# Altium PCB trussy.PcbDoc (part 3 of 3) (continued)
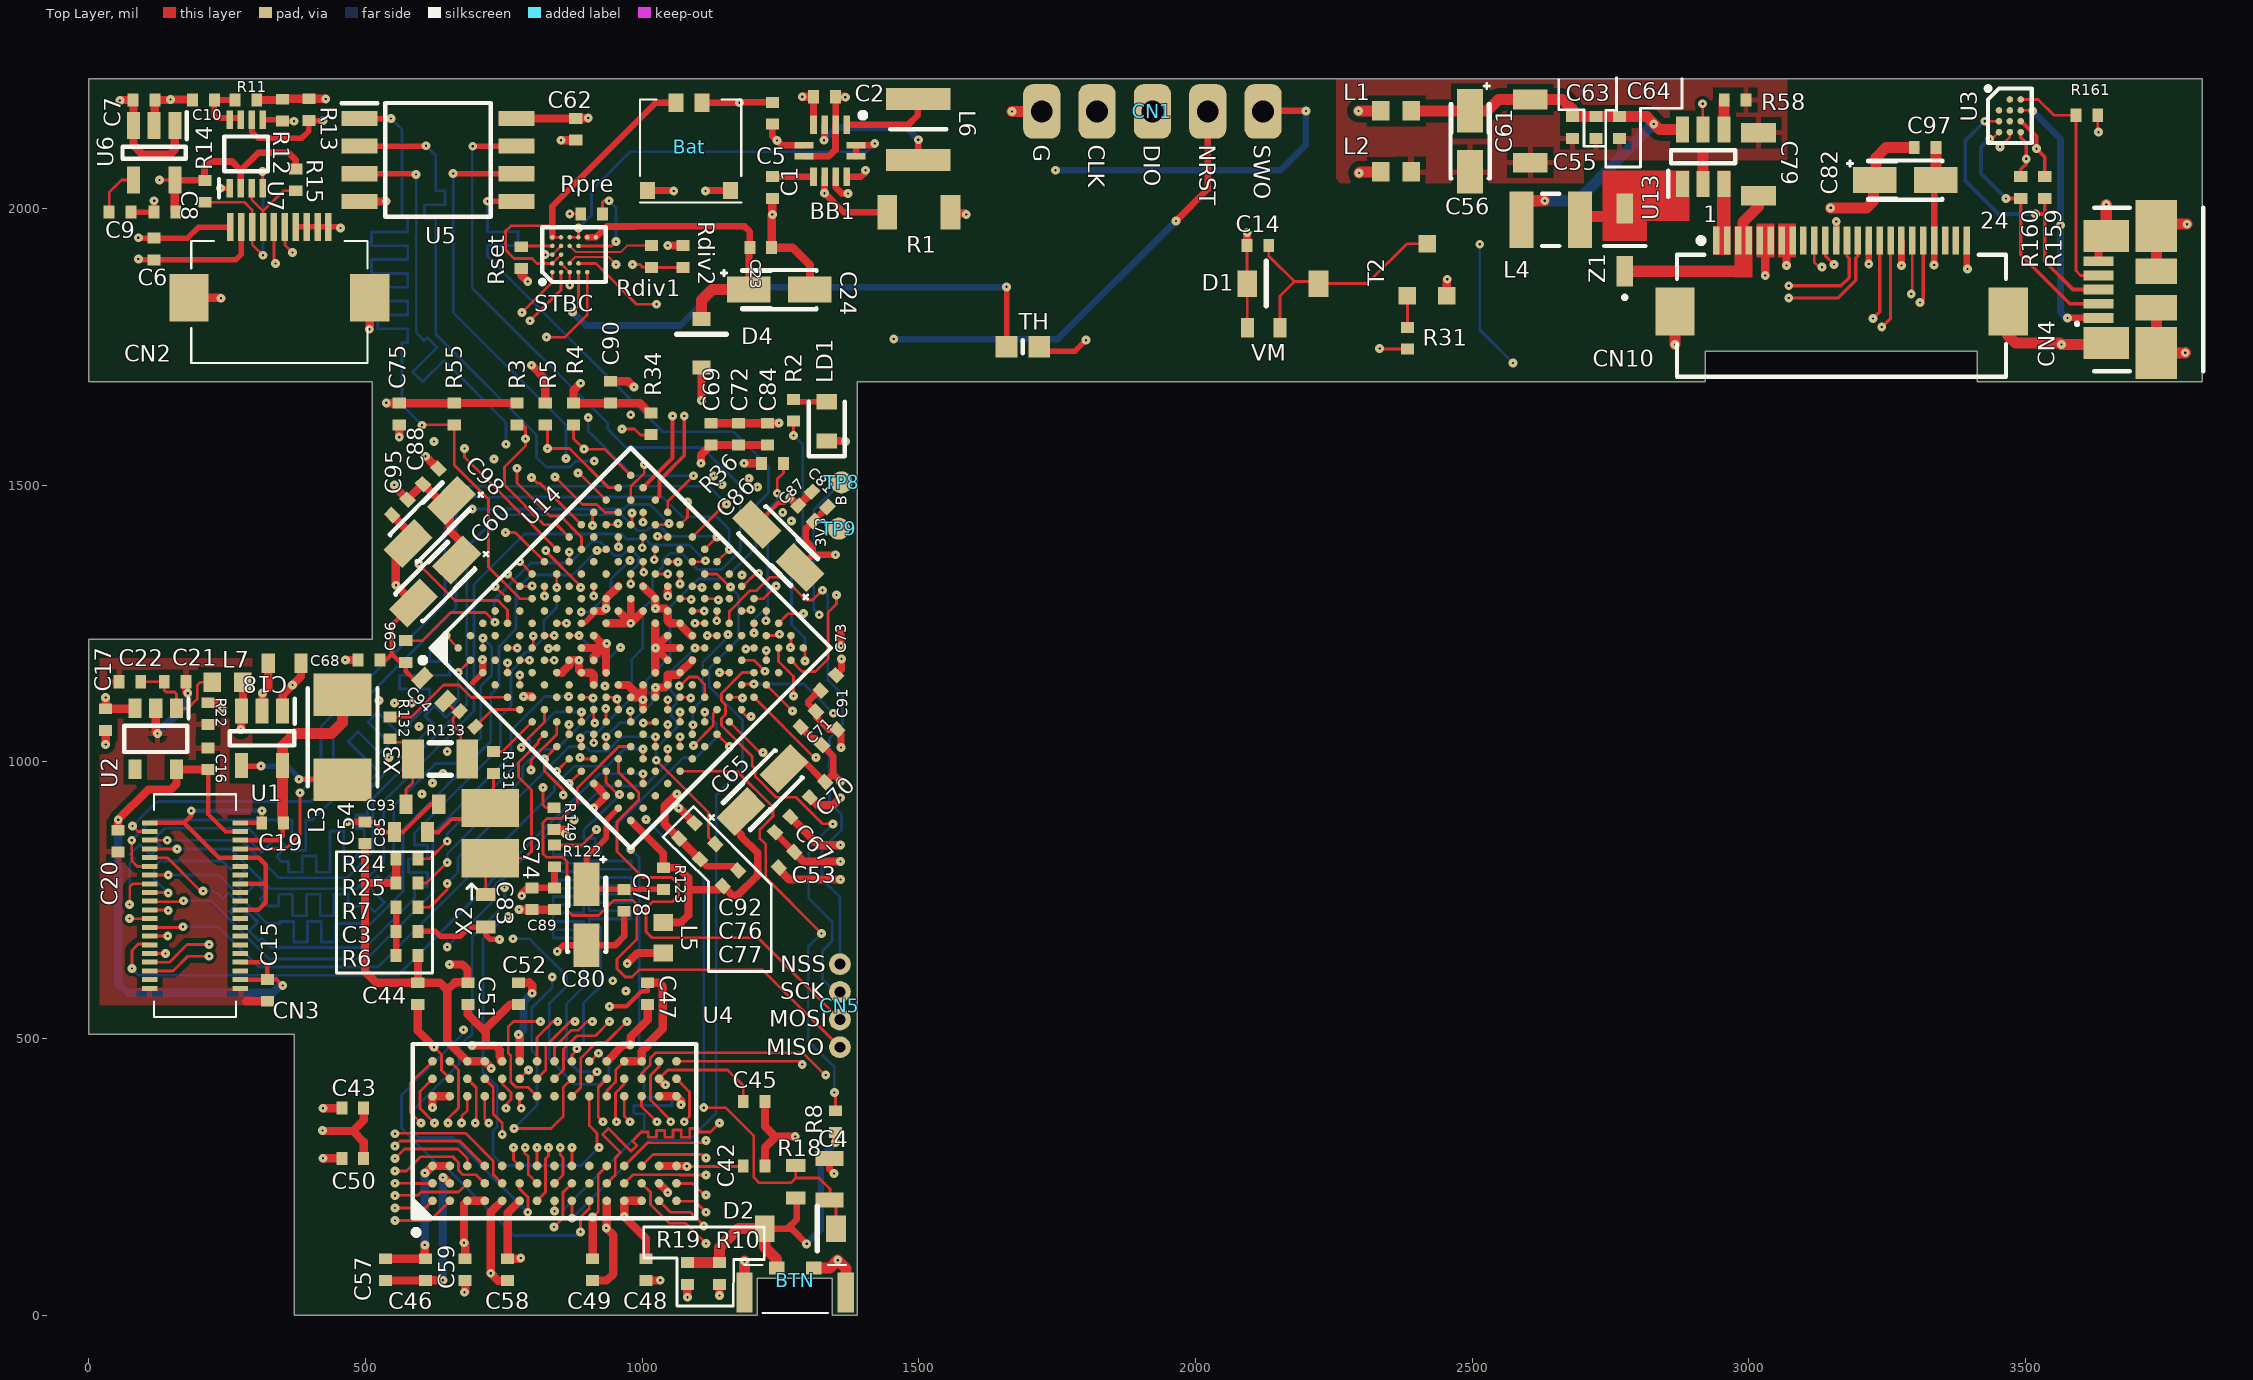
[diagram p0: Top Layer view]
## Nets (pads, with @x,y where several pads share a name; then routed paths per layer and width w, separated by ;. In a path a pad name is that pad's centre, name@x,y a point inside that pad or via, vN(x,y) a via of type N, cw(c..) or ccw(c..) an arc to the next point about the centre after c; other vN are vias at no path point) (continued)
PF9: U5.2 U14.L2 | length 1605.3
  Top Layer w5: v1(887.87,1007.65) 890.25,1005.27 U14.L2@912.52,1005.27
  Top Layer w10: U5.2@489.17,2112.6 608.66,2112.6 v1(609.25,2113.19)
  Internal Signal 1 w5: v1(887.87,1007.65) 930.87,1007.65 959.65,1036.42 959.65,1094.76 976.38,1111.49 976.38,1230.58 953.74,1253.22 953.74,1324.8 941.11,1337.43 941.11,1489.26 913.39,1516.99 v1(913.39,1543.31)
  Bottom Layer w5: v1(609.25,2113.19) 626.97,2095.47 626.97,2044.29 626.97,2031.79 643.47,2031.79 643.47,2006.79 626.97,2006.79 606.53,2006.79 606.53,1981.79 626.97,1981.79 626.97,1970.47 626.97,1772.64 809.06,1590.55 809.06,1550.2 826.77,1532.48 869.09,1532.48 879.92,1543.31 v1(913.39,1543.31)
PF10: U5.6 U14.L1 | length 1486.4
  Top Layer w5: v1(867.98,960.73) U14.L1@890.25,983
  Top Layer w10: v1(658.46,2062.99) 772.24,2062.99 U5.6@772.64,2062.6
  Internal Signal 1 w5: v1(862.2,1548.23) 862.2,1507.27 925.64,1443.84 925.64,1412.84 902.85,1390.06 902.85,1348.13 928.02,1322.97 928.02,1292.9 914.76,1279.65 914.76,1155.12 v1(933.07,1136.81)
  Internal Signal 2 w5: v1(867.98,960.73) 937.03,1029.78 945.14,1029.78 950.29,1034.94 950.29,1055.88 906.51,1099.66 905,1099.66 893.7,1110.95 893.7,1123.48 907.03,1136.81 v1(933.07,1136.81)
  Bottom Layer w5: v1(658.46,2062.99) 658.46,1812.01 862.2,1608.27 v1(862.2,1548.23)
PF11: U4.J9 U14.P8 | length 1429.9
  Top Layer w5: U4.J9@873.03,458.66 873.03,470.47 882.7,480.14 881.93,480.9 v1(881.93,481.32) ; U14.P8@1112.96,1072.08 1112.96,1081.83 v1(1112.96,1089.83)
  Bottom Layer w5: v1(881.93,481.32) 894.17,493.56 894.17,563.98 925.2,595.01 925.2,698.82 925.2,700.77 904.22,700.77 904.22,715.77 925.2,715.77 980.1,715.77 980.1,730.77 925.2,730.77 904.22,730.77 904.22,745.77 925.2,745.77 980.1,745.77 980.1,760.77 925.2,760.77 904.22,760.77 904.22,775.77 925.2,775.77 980.1,775.77 980.1,790.77 925.2,790.77 904.22,790.77 904.22,805.77 925.2,805.77 980.1,805.77 980.1,820.77 925.2,820.77 904.22,820.77 904.22,835.77 925.2,835.77 925.2,850.77 925.2,858.27 1074.8,1007.87 1098.43,1007.87 1134.84,1044.29 1134.84,1067.94 v1(1112.96,1089.83)
PG15: U4.K7 U14.B7 | length 1431.5
  Top Layer w5: v1(823.43,1299.32) 823.43,1307.32 U14.B7@823.43,1317.06 ; U4.K7@904.53,395.67 904.53,342.52 918.25,328.8 918.25,307.14 v1(922.24,303.15)
  Internal Signal 2 w5: v1(757.87,720.47) 757.87,757.61 766.52,766.26 766.52,983.06 805.12,1021.65 805.12,1123.47 856.68,1175.03 856.68,1234.4 844.49,1246.59 844.49,1278.26 v1(823.43,1299.32)
  Bottom Layer w5: v1(757.87,720.47) 752.95,720.47 712.6,680.12 712.6,462.09 711.9,461.39 711.9,439.47 738.28,413.09 738.28,341.02 730.31,333.06 730.31,289.37 749.02,270.67 889.76,270.67 v1(922.24,303.15)
PH0: R131.1 U14.G1 | length 92.1
  Top Layer w5: R131.1@731.29,1018.39 747.47,1018.39 U14.G1@801.16,1072.08
PH1: C83.1 U14.H1 X2.1 | length 393
  Top Layer w5: C83.1@717.51,757.18 C83.1@717.51,760.34 717.51,817.91 X2.1@725.39,825.79 788.39,825.79 800.2,837.6 800.2,948.82 776.57,972.44 776.57,998.76 812.14,1034.33 812.14,1038.52 U14.H1@823.43,1049.81
PH2: U4.J2 U14.K4 | length 1461.3
  Top Layer w5: v1(840.55,159.45) 857.04,175.93 857.04,222.19 U4.J2@873.03,238.19 ; v1(934.1,1096.51) 934.79,1095.82 U14.K4@934.79,1072.08
  Internal Signal 2 w5: v1(934.1,1096.51) 934.55,1096.51 965.29,1065.77 965.29,1021.39 844.49,900.59 844.49,853.35 856.3,841.54 v1(979.33,841.54)
  Bottom Layer w5: v1(840.55,159.45) 857.53,176.43 857.53,190.7 1003.94,337.1 1003.94,356.3 1003.94,363.8 984.66,363.8 984.66,378.8 1003.94,378.8 1053.81,378.8 1053.81,393.8 1003.94,393.8 1003.94,399.61 1003.94,475.24 994.83,484.35 994.83,826.04 v1(979.33,841.54)
PH3: U4.J8 U14.J4 | length 1425.1
  Top Layer w5: v1(768.65,337.44) 835.47,337.44 857.28,359.25 857.28,411.42 U4.J8@873.03,427.17 ; U14.J4@912.52,1094.35 912.52,1071.74 v1(914.37,1069.88)
  Internal Signal 2 w5: v1(837.6,611.22) 802.17,646.65 802.17,659.15 782.23,659.15 782.23,684.15 802.17,684.15 857.07,684.15 857.07,709.15 802.17,709.15 793.1,709.15 793.1,734.15 802.17,734.15 857.07,734.15 857.07,759.15 802.17,759.15 797.97,759.15 797.97,784.15 802.17,784.15 847.97,784.15 847.97,809.15 802.17,809.15 802.17,825.79 793.31,834.65 793.31,904.27 827.28,938.24 841.33,952.28 841.33,956.49 864.17,979.33 864.17,1041.84 892.22,1069.88 v1(914.37,1069.88)
  Bottom Layer w5: v1(768.65,337.44) 809.92,378.72 809.92,468.62 800.65,477.89 800.65,555.57 837.6,592.52 v1(837.6,611.22)
PI4: U4.F8 U14.C3 | length 916.3
  Top Layer w5: U14.C3@756.62,1205.71 766.36,1205.71 v1(774.36,1205.71) ; U4.F8@778.54,427.17 v1(794.42,443.05)
  Internal Signal 2 w5: v1(774.36,1205.71) 756.89,1205.71 683.07,1131.89 683.07,955.71 673.23,945.87 673.23,545.28 775.46,443.05 v1(794.42,443.05)
PI5: U4.F2 U14.D3 | length 1311.8
  Top Layer w5: U4.F2@778.54,238.19 778.54,228.43 793.92,213.06 793.92,186.63 v1(793.31,186.02) ; U14.D3@778.89,1183.44 788.64,1183.44 v1(796.64,1183.44)
  Internal Signal 1 w5: v1(751.02,772.68) 751.02,968.54 797.03,1014.55 797.03,1095.66 828.35,1126.97 828.35,1151.73 v1(796.64,1183.44)
  Bottom Layer w5: v1(751.02,772.68) 751.02,742.16 692.91,684.06 692.91,507.87 687.75,502.71 686.05,502.71 676.97,493.63 676.97,491.93 669.29,484.25 669.29,454.23 584.89,369.83 584.89,332.07 596.1,320.87 658.46,320.87 v1(793.31,186.02)
POWER_GOOD: BB1.8 R1.2 U14.B13 | length 1174
  Top Layer w5: v1(842.52,1514.76) 892.2,1465.08 918.48,1465.08 932.87,1450.69 U14.B13@957.06,1450.69
  Top Layer w12: BB1.8@1329.57,2057.33 1329.57,2027.72 v1(1329.72,2027.56) 1364.17,1993.11 R1.2@1442.91,1993.11
  Internal Signal 2 w5: v1(842.52,1514.76) 834.65,1514.76 770.67,1578.74 770.67,1633.86 1164.37,2027.56 v1(1329.72,2027.56)
SCL1.8: CN2.4 R15.1 U7.3 | length 152.7
  Top Layer w5: U7.3@294.29,2036.42 294.29,2015.75 314.96,1995.08 ; CN2.4@314.96,1966.54 314.96,1995.08 ; R15.1@374.02,2031.81 351.69,2031.81 314.96,1995.08
SDA1.8: CN2.3 R14.1 U7.4 | length 363.8
  Top Layer w5: R14.1@209.65,2011.14 281.19,2011.14 295.28,1997.05 CN2.3@295.28,1966.54 295.28,1935.04 v1(314.96,1915.35) ; U7.4@313.98,2036.42 v1(313.98,2066.93)
  Bottom Layer w5: v1(313.98,2066.93) 314.96,2065.95 v1(314.96,1915.35)
SIO_CLK: CN3.7 R25.2 U14.H4 | length 1126.6
  Top Layer w5: CN3.7@110.04,637.8 145.67,637.8 177.5,669.62 v1(217.52,669.62) ; R25.2@594.8,781 610.53,781 v1(647.64,818.11) v1@647.83,817.92 ; U14.H4@890.25,1116.63 909.95,1116.63 v1(911.42,1115.16)
  Internal Signal 2 w5: v1(217.52,669.62) 316.6,768.7 598.23,768.7 v1(647.64,818.11)
  Bottom Layer w5: v1(647.64,818.11) 647.64,833.66 783.71,969.74 783.71,991.66 814.69,1022.64 844.98,1022.64 911.42,1089.08 v1(911.42,1115.16)
SIO_DAT: CN3.5 R24.2 U14.J3 | length 1162
  Top Layer w5: CN3.5@110.04,622.05 152.19,622.05 178.77,648.62 v1(217.52,648.62) ; R24.2@594.8,824.8 616.14,824.8 v1(647.64,856.3) ; U14.J3@890.25,1072.08 890.25,1081.83 v1(890.25,1089.83)
  Internal Signal 2 w5: v1(217.52,648.62) 199.8,648.62 181.1,667.32 181.1,678.15 362.2,859.25 644.68,859.25 v1(647.64,856.3)
  Bottom Layer w5: v1(647.64,856.3) 647.64,869.82 797.03,1019.22 797.03,1044.63 842.23,1089.83 v1(890.25,1089.83)
SPI2_MISO: CN5.1 U14.M4 | length 1171
  Top Layer w5: U14.M4@979.33,1027.54 957.66,1027.54 882.87,952.76 882.87,927.08 853.43,897.64 828.28,897.64 820.87,890.22 820.87,833.66 826.84,827.69 856.46,827.69 864.17,819.98 864.17,732.28 874.02,722.44 921.26,722.44 948.82,750 982.28,750 990.16,742.13 990.16,732.65 990,732.49 990,678.98 954.72,643.7 954.72,625.98 969.49,611.22 981.3,611.22 994.09,624.02 1217.52,624.02 CN5.1@1357.28,484.25
SPI2_MOSI: CN5.2 U14.M3 | length 882.2
  Top Layer w5: U14.M3@957.06,1005.27 957.06,981.08 993.72,944.42 993.72,930.73 954.72,891.73 954.72,837.6 1001.22,791.1 1053.39,791.1 1065.94,778.54 1065.94,757.87 1055.12,747.05 1018.7,747.05 1006.89,735.24 1006.89,692.91 1017.72,682.09 1209.45,682.09 CN5.2@1357.28,534.25
SPI2_NSS: CN5.4 U14.L13 | length 977.5
  Top Layer w5: U14.L13@1157.5,1250.25 1157.5,1271.67 1195.01,1309.18 1206.82,1309.18 1231.05,1333.41 1255.17,1333.41 1296.26,1292.32 1308.07,1292.32 v1(1325.79,1310.04)
  Bottom Layer w5: v1(1325.79,1310.04) 1335.45,1300.38 1335.45,1147.82 1362.2,1121.06 1362.2,1066.93 1338.49,1043.22 1338.49,926.27 1360.24,904.53 1360.24,876.97 1324.8,841.54 1324.8,787.8 1357.28,755.32 CN5.4@1357.28,634.25
SPI2_SCK: CN5.3 U14.P12 | length 796.1
  Top Layer w5: U14.P12@1202.04,1161.17 1180.85,1161.17 1143.11,1123.42 1143.11,1109.84 1150.59,1102.36 1150.59,1085.52 1143.11,1078.04 1143.11,1065.55 1198.82,1009.84 1198.82,992.13 1204.45,986.49 1204.45,973.55 1242.25,935.75 1278.37,935.75 1326.29,887.84 v1(1344.55,887.84)
  Bottom Layer w5: v1(1344.55,887.84) 1301.18,844.47 1301.18,752.95 1343.5,710.63 1343.5,676.18 1325.79,658.46 1325.79,607.28 1348.82,584.25 CN5.3@1357.28,584.25
STBC_CEN: STBC.B1 U14.A11 | length 719.3
  Top Layer w5: v1(797.44,1797.05) 853.35,1852.96 STBC.B1@853.35,1884.84 ; v1(800.2,1513.78) 810.65,1503.33 815.34,1503.33 U14.A11@890.25,1428.42
  Internal Signal 2 w5: v1(797.44,1797.05) 642.56,1642.18 642.56,1551.5 680.28,1513.78 v1(800.2,1513.78)
STBC_CHG: STBC.E1 U14.A9 | length 681.4
  Top Layer w5: v1(679.13,1565.94) 679.13,1550.45 U14.A9@845.7,1383.88 ; v1(827.13,1767.35) 860.86,1767.35 900.59,1807.09 STBC.E1@900.59,1884.84
  Internal Signal 2 w5: v1(679.13,1565.94) 680.12,1566.93 680.12,1620.34 v1(827.13,1767.35)
STBC_SD: STBC.A1 U14.B9 | length 815.7
  Top Layer w5: v1(782.59,1811.9) 837.6,1866.91 STBC.A1@837.6,1884.84 ; U14.B9@867.97,1361.61 868.11,1361.74 868.11,1378.96 v1(868.15,1379)
  Internal Signal 1 w5: v1(624.02,1578.74) 624.02,1494.56 772.47,1346.11 835.26,1346.11 v1(868.15,1379)
  Internal Signal 2 w5: v1(624.02,1578.74) 624.02,1605.08 623.78,1605.32 623.78,1653.09 v1(782.59,1811.9)
STBC_WAKEUP: STBC.D2 U14.B14 | length 544.4
  Top Layer w5: STBC.D2@884.84,1900.59 916.34,1900.59 990.07,1826.86 v1(1025.64,1826.86) ; U14.B14@979.33,1472.96 979.33,1497.15 1003.94,1521.76 v1(1003.94,1537.4)
  Internal Signal 1 w5: v1(1003.94,1537.4) 1003.94,1686.96 1025.64,1708.66 v1(1025.64,1826.86)
SWCLK: CN1.4 R5.2 U14.A14 | length 1511.6
  Top Layer w5: R5.2@824.81,1608.94 828.74,1605.01 v1(828.74,1565.94) 868.83,1565.94 939.54,1495.23 U14.A14@957.06,1495.23
  Internal Signal 2 w8: v1(828.74,1565.94) 828.74,1592.2 1207.99,1971.46 1700.79,1971.46 1822.05,2092.72 CN1.4@1822.05,2175.2
SWDIO: CN1.3 R4.1 U14.A15 | length 1495.1
  Top Layer w5: R4.1@875.99,1608.94 875.99,1583.67 v1(894.69,1564.96) 931.87,1564.96 U14.A15@979.33,1517.5
  Internal Signal 2 w8: v1(894.69,1564.96) 929.13,1599.4 929.13,1645.67 1219.49,1936.02 1737.2,1936.02 1922.05,2120.87 CN1.3@1922.05,2175.2
VBUS_FS1: CN4.1 D4.1 U3.B3 U14.E15 | length 3430.6
  Top Layer w5: U14.E15@1068.41,1428.42 1081.69,1441.7 v1(1081.69,1469.49) ; U3.B3@3491.14,2177.17 3511.81,2177.17 v1(3512.8,2176.18)
  Top Layer w12: v1(3575.79,1802.17) CN4.1@3631.5,1802.17
  Top Layer w15: v1(1107.28,1652.56) D4.1@1107.28,1712.6
  Internal Signal 1 w15: v1(1081.69,1469.49) 1056.1,1495.08 1056.1,1566.93 1107.28,1618.11 v1(1107.28,1652.56)
  Internal Signal 2 w15: v1(1107.28,1652.56) 1261.81,1807.09 2709.65,1807.09 2924.04,2021.48 3384.71,2021.48 3436.71,1969.49 v1(3562.99,1969.49)
  Bottom Layer w12: v1(3512.8,2176.18) 3562.99,2125.98 v1(3562.99,1969.49) 3562.99,1812.99 3573.82,1802.17 v1(3575.79,1802.17)
VDDA: C65.1 C77.2 L5.2 R123.1 U14.R1 | length 578.1
  Top Layer w13.78: U14.R1@979.33,893.91 1038.38,834.86 R123.1@1038.38,808.44 1065.57,808.44 1083.66,790.35 1083.66,768.7 ; L5.2@1038.39,709.65 1070.87,709.65 1083.66,722.44 1083.66,768.7 ; C65.1@1178.55,909.84 1175.59,909.84 1156.5,890.75 1178.54,868.7 1178.54,865.75 1208.66,835.63 1208.66,795.28 1172.24,758.86 1162.37,758.86 C77.2@1145.65,775.57 1138.78,768.7 1083.66,768.7
VIBRATION_MOTOR: R31.2 U14.A13 | length 1750.1
  Top Layer w5: v1(883.86,1521.65) 886.1,1521.65 U14.A13@934.79,1472.96 ; v1(2332.68,1747.05) 2333.97,1745.75 R31.2@2382.87,1745.75
  Internal Signal 2 w5: v1(883.86,1521.65) 921.26,1521.65 947.83,1548.23 947.83,1626.97 966.54,1645.67 1004.92,1645.67 1053.15,1597.44 1154.53,1597.44 1303.15,1746.06 2331.69,1746.06 v1(2332.68,1747.05)
VL: C55.1 C56.1 C61.1 C63.2 C64.2 L1.2 L4.1 U13.6 | length 856.1
  Top Layer w20: L1.2@2389.76,2176.18 C56.1@2496.06,2176.18 2526.57,2176.18 2547.28,2196.88 C61.1@2604.83,2196.88 ; L4.1@2588.58,1979.33 2588.58,2006.89 2595.47,2013.78 v1(2630.91,2013.78) ; C61.1@2604.86,2196.85 2663.39,2196.85 2681.1,2179.13 C55.1@2681.1,2165.97 C63.2@2723.43,2165.97 C64.2@2765.75,2165.97 2815.33,2165.97 2838.58,2142.72 U13.6@2879.92,2142.72
  Bottom Layer w20: v1(2630.91,2013.78) 2689.01,2013.78 v1(2827.89,2152.66)
VREF+: C78.2 C80.1 R123.2 U14.P1 | length 304.4
  Top Layer w10: U14.P1@957.06,916.18 935.04,894.16 935.04,885.69 935.32,885.41 935.32,862.49 899.61,826.77 C80.1@899.61,778.54 908.84,769.32 C78.2@967.52,769.32 1038.14,769.32 R123.2@1038.38,769.07
VSYNC: CN3.13 U14.D9 | length 1262.2
  Top Layer w5: CN3.13@110.04,685.04 v1(142.72,685.04) ; v1(912.52,1299.32) 912.52,1307.32 U14.D9@912.52,1317.06
  Internal Signal 1 w5: v1(142.72,685.04) 143.7,686.02 349.41,686.02 414.28,750.89 414.28,1043.58 525.23,1154.53 564.96,1154.53 629.76,1219.33 629.76,1234.4 687.91,1292.55 808.28,1292.55 817.01,1283.82 850.04,1283.82 857.56,1291.34 904.53,1291.34 v1(912.52,1299.32)
VUSB: C23.1 C24.1 D4.2 STBC.E5 STBC.F5 | length 539.2
  Top Layer w12: STBC.E5@900.59,1947.83 STBC.F5@916.34,1947.83 935.85,1967.34 986.04,1967.34 986.22,1967.52 1185.04,1967.52 1194.51,1958.05 C23.1@1194.51,1929.13 1192.91,1927.54 C24.1@1192.91,1853.35
  Top Layer w20: D4.2@1107.28,1800.2 1107.28,1834.65 1125.98,1853.35 C24.1@1192.91,1853.35
XCLK: CN3.34 U14.F15 | length 1448
  Top Layer w5: CN3.34@273.82,842.52 355.31,842.52 381.89,869.09 v1(381.91,943.94) ; U14.F15@1090.69,1406.15 1150.09,1465.55 v1(1152.56,1465.55)
  Bottom Layer w5: v1(381.91,943.94) 419.77,981.8 419.77,1063.47 643.7,1287.4 643.7,1468.5 673.23,1498.03 1120.08,1498.03 v1(1152.56,1465.55)
Y0: CN3.37 U14.H15 | length 1606.3
  Top Layer w5: v1(78.74,883.86) 88.58,874.02 CN3.37@110.04,874.02 ; U14.H15@1135.23,1361.61 v1(1157.5,1383.88)
  Bottom Layer w5: v1(78.74,883.86) 123.03,928.15 401.57,928.15 441.93,968.5 441.93,1056.1 663.39,1277.56 663.39,1453.74 687.99,1478.35 1036.42,1478.35 1071.85,1442.91 1133.86,1442.91 1157.5,1419.27 v1(1157.5,1383.88)
Y1: CN3.35 U14.G15 | length 1600.9
  Top Layer w5: CN3.35@110.04,858.27 v1(141.73,858.27) ; U14.G15@1112.96,1383.88 v1(1135.23,1406.15)
  Bottom Layer w5: v1(141.73,858.27) 275.59,858.27 343.5,790.35 466.54,790.35 513.78,837.6 513.78,934.06 683.03,1103.31 683.03,1387.76 741.58,1446.3 963.03,1446.3 991.89,1417.45 1008.02,1417.45 1013.56,1422.98 1034.42,1422.98 1049.92,1407.48 1133.9,1407.48 v1(1135.23,1406.15)
Y2: CN3.33 U14.G14 | length 1541.3
  Top Layer w5: CN3.33@110.04,842.52 159.42,842.52 v1(159.46,842.56) ; U14.G14@1090.69,1361.61 1112.59,1361.61 v1(1114.17,1363.19)
  Bottom Layer w5: v1(159.46,842.56) 255.86,842.56 327.76,770.67 484.25,770.67 532.48,818.9 532.48,928.15 696.11,1091.78 696.11,1320.13 787.53,1411.55 962.47,1411.55 971.46,1402.56 1006.29,1402.56 1016.87,1391.98 1085.38,1391.98 v1(1114.17,1363.19)
Y3: CN3.31 U14.B8 | length 1484.3
  Top Layer w5: CN3.31@110.04,826.77 141.7,826.77 201.74,766.73 v1(206.69,766.73) ; v1(845.51,1315.02) 845.7,1315.21 U14.B8@845.7,1339.34
  Bottom Layer w5: v1(206.69,766.73) 226.38,766.73 232.28,760.83 241.12,751.99 252.26,763.13 269.94,745.45 258.8,734.31 254.06,729.57 271.74,711.89 276.48,716.63 287.62,727.77 305.29,710.09 294.16,698.95 289.41,694.21 307.09,676.54 311.83,681.28 325.79,667.32 328.74,664.37 500,664.37 588.58,752.95 588.58,766.73 588.58,774.7 612.05,774.7 612.05,799.7 588.58,799.7 577.91,799.7 577.91,824.7 588.58,824.7 612.05,824.7 612.05,849.7 588.58,849.7 588.58,862.2 588.58,871.06 744.09,1026.57 744.09,1082.18 762.8,1100.88 762.8,1163.17 781.14,1181.51 781.14,1189.86 790.22,1198.94 796.62,1198.94 822.34,1224.66 822.34,1255.41 845.7,1278.77 845.7,1314.83 v1(845.51,1315.02)
Y4: CN3.29 U14.A1 | length 1503
  Top Layer w5: v1(77.76,858.27) 77.76,820.87 87.6,811.02 CN3.29@110.04,811.02 ; v1(645.26,1227.98) U14.A1@667.54,1205.71
  Bottom Layer w5: v1(77.76,858.27) 114.17,894.69 345.47,894.69 367.03,894.69 367.03,839.78 392.03,839.78 392.03,894.69 404.53,894.69 463.58,953.74 472.42,962.58 451.93,983.07 469.61,1000.75 490.1,980.26 506.29,964.06 523.97,981.74 507.78,997.93 468.95,1036.76 486.63,1054.43 525.45,1015.61 543.13,1033.29 504.31,1072.11 521.99,1089.79 560.81,1050.97 563.68,1048.09 581.36,1065.77 578.49,1068.64 583.66,1073.82 616.14,1106.3 616.14,1113.19 616.14,1131.4 561.24,1131.4 561.24,1156.4 616.14,1156.4 652.04,1156.4 652.04,1181.4 616.14,1181.4 616.14,1193.9 616.14,1198.86 v1(645.26,1227.98)
Y5: CN3.27 U14.C11 | length 1489.8
  Top Layer w5: CN3.27@110.04,795.28 v1(143.7,795.28) ; v1(918.35,1381.96) 932.87,1381.96 U14.C11@934.79,1383.88
  Bottom Layer w5: v1(143.7,795.28) 234.25,795.28 254.34,775.19 321.85,707.68 332.68,707.68 345.18,707.68 345.18,711.61 370.18,711.61 370.18,707.68 370.18,674.37 395.18,674.37 395.18,707.68 395.18,711.61 420.18,711.61 420.18,707.68 420.18,674.37 445.18,674.37 445.18,707.68 452.76,707.68 509.84,707.68 567.91,765.75 567.91,877.95 726.38,1036.42 726.38,1121.06 741.14,1135.83 741.14,1172.47 ; 741.12,1172.49 741.12,1208.64 772.12,1239.64 772.12,1310.8 798.92,1337.6 873.99,1337.6 v1(918.35,1381.96)
Y6: CN3.25 U14.B1 | length 1491.1
  Top Layer w5: v1(73.82,742.16) 73.82,773.63 79.72,779.53 CN3.25@110.04,779.53 ; v1(667.53,1161.17) U14.B1@689.81,1183.44
  Bottom Layer w5: v1(73.82,742.16) 73.82,815.95 82.66,824.79 74.43,833.02 92.11,850.7 100.34,842.47 112.22,830.59 129.89,848.27 118.02,860.14 122.54,864.67 137.8,879.92 275.59,879.92 275.89,879.92 288.39,879.92 304.23,864.08 294.08,853.92 311.75,836.24 321.91,846.4 339.35,863.84 357.03,846.16 339.59,828.72 348.43,819.88 360.93,819.88 360.93,800.35 385.93,800.35 385.93,819.88 385.93,829.78 410.93,829.78 410.93,819.88 410.93,800.35 435.93,800.35 435.93,819.88 435.93,874.79 460.93,874.79 460.93,819.88 473.43,819.88 497.67,844.13 497.67,853.8 497.67,878.8 483.02,878.8 483.02,903.8 497.67,903.8 503.78,903.8 503.78,928.8 497.67,928.8 497.67,941.3 510.43,954.06 533.97,977.6 608.33,1051.97 623.34,1066.97 607.15,1083.16 624.82,1100.84 641.02,1084.65 645.63,1080.04 663.3,1097.72 658.7,1102.33 667.53,1111.17 v1(667.53,1161.17)
Y7: CN3.23 U14.B2 | length 1502.6
  Top Layer w5: CN3.23@110.04,763.78 142.72,763.78 v1(143.7,762.8) ; U14.B2@712.08,1205.71 712.08,1215.45 v1(712.08,1223.45)
  Bottom Layer w5: v1(143.7,762.8) 118.11,788.39 118.11,810.04 128.94,820.87 241.14,820.87 248.03,813.98 256.87,805.14 268.01,816.28 285.69,798.6 274.55,787.46 265.38,778.29 283.06,760.61 292.23,769.78 303.36,780.92 321.04,763.24 309.9,752.1 319.88,742.13 322.83,739.17 330.71,739.17 343.21,739.17 343.21,760.67 368.21,760.67 368.21,739.17 368.21,721.61 393.21,721.61 393.21,739.17 393.21,760.67 418.21,760.67 418.21,739.17 418.21,721.61 443.21,721.61 443.21,739.17 443.21,760.67 468.21,760.67 468.21,739.17 488.19,739.17 497.03,748.01 516.53,728.51 534.21,746.19 514.71,765.69 504.06,776.34 521.74,794.01 532.38,783.37 548.72,799.7 551.18,802.17 551.18,921.28 626.95,997.05 662.4,997.05 708.5,1043.15 708.5,1137.02 728.19,1156.7 728.19,1207.34 v1(712.08,1223.45)
Y8: CN3.21 U14.P13 | length 1496.9
  Top Layer w5: CN3.21@110.04,748.03 110.04,747.3 169.54,747.3 v1(171.26,749.02) ; U14.P13@1224.31,1183.44 1224.31,1193.18 v1(1224.31,1201.18)
  Internal Signal 2 w5: v1(867.17,1118.16) 906.48,1157.48 1025.07,1157.48 1044.75,1177.17 1200.3,1177.17 v1(1224.31,1201.18)
  Bottom Layer w5: v1(171.26,749.02) 220.47,749.02 325.79,643.7 501.97,643.7 622.05,763.78 622.05,871.06 762.8,1011.81 762.8,1056.34 824.62,1118.16 v1(867.17,1118.16)
Y9: CN3.19 U14.A12 | length 1640.9
  Top Layer w5: CN3.19@110.04,732.28 142.76,732.28 v1(143.71,731.33) ; v1(910.14,1427.05) 910.14,1448.31 U14.A12@912.52,1450.69
  Internal Signal 1 w5: v1(143.71,731.33) 144.44,732.07 354.38,732.07 397.64,775.32 397.64,1059.06 515.75,1177.17 556.1,1177.17 641.24,1262.3 643.47,1264.53 604.65,1303.36 615.26,1313.96 654.08,1275.14 664.68,1285.75 625.86,1324.57 636.47,1335.18 675.29,1296.35 685.9,1306.96 647.08,1345.78 657.68,1356.39 696.5,1317.57 707.11,1328.17 712.41,1333.48 741.12,1333.48 741.12,1332.92 750.2,1323.84 782.02,1323.84 791.85,1333.66 851.38,1333.66 887.85,1370.14 887.85,1410.52 904.38,1427.05 v1(910.14,1427.05)
pads on no net: CN3.3 CN3.6 CN3.10 CN3.12 CN3.14 CN3.16 CN3.18 CN3.22 CN3.24 CN3.28 CN3.30 CN10.9 CN10.22 CN10.23 U2.4 U3.A2 U3.B1 U3.B2 U3.C2 U4.E3 U4.E7 U4.H3 U4.H7 U4.K2 U4.K3 U14.A2 U14.A3 U14.A4 U14.B3 U14.B5 U14.B11 U14.C2 U14.C4 U14.C5 U14.C6 U14.C7 U14.C8 U14.C9 U14.C10 U14.D1 U14.D7 U14.D8 U14.D10 U14.D11 U14.D12 U14.E3 U14.F3 U14.F14 U14.G3 U14.G4 U14.H3 U14.J14 U14.J15 U14.K14 U14.L4 U14.M5 U14.M9 U14.M10 U14.M11 U14.M12 U14.M13 U14.N2 U14.N3 U14.N8 U14.N10 U14.P2 U14.P4 U14.R2 U14.R3 U14.R4 U14.R6 U14.R7 U14.R13
copper on no net: | length 27.5
  Top Layer w12: 1356.29,1235.91 1359.25,1232.95 v1(1359.25,1209.65)

## Polygon pours and split planes (outlines as drawn)
AGND on Top Layer "AGND" (solid, remove dead copper, pour order 4): 19.68,1187.01 19.68,560.04 295.28,560.04 295.28,1187.01
BLGND on Top Layer "BLGND" (solid, pour order 2): 2253.94,2234.25 2280.51,2234.25 3068.9,2234.25 3068.9,2086.61 2701.77,2086.61 2701.77,2045.28 2261.81,2045.28 2253.94,2053.15
GND on GND_TOP (split plane): 3798.8,2214.15 3798.8,1707.1 3432.5,1707.1 3432.5,1742.13 3432.11,1746.05 3430.97,1749.82 3429.11,1753.29 3426.61,1756.34 3423.57,1758.84 3420.09,1760.69 3416.32,1761.84 3412.4,1762.22 2921.26,1762.22 2917.34,1761.84 2913.57,1760.69 2910.09,1758.84 2907.05,1756.34 2904.55,1753.29 2902.69,1749.82 2901.55,1746.05 2901.16,1742.13 2901.16,1707.1 1388.78,1707.1 1384.86,1706.72 1381.09,1705.57 1377.61,1703.72 1374.57,1701.22 1372.07,1698.17 1370.21,1694.7 1369.07,1690.93 1368.68,1687.01 1368.68,20.1 1363.6,20.1 1363.6,66.93 1363.21,70.85 1362.07,74.62 1360.21,78.09 1357.71,81.14 1354.67,83.64 1351.19,85.5 1347.42,86.64 1343.5,87.03 1207.68,87.03 1203.76,86.64 1199.99,85.5 1196.51,83.64 1193.47,81.14 1190.97,78.09 1189.11,74.62 1187.97,70.85 1187.58,66.93 1187.58,20.1 1113.19,20.1 391.16,20.1 391.16,507.87 390.77,511.79 389.63,515.56 387.77,519.04 385.27,522.08 382.23,524.58 378.75,526.44 374.98,527.58 371.06,527.97 20.1,527.97 20.1,1201.36 511.81,1201.36 515.73,1201.75 519.5,1202.89 522.98,1204.75 526.02,1207.25 528.52,1210.29 530.38,1213.77 531.52,1217.54 531.91,1221.46 531.91,1687.01 531.52,1690.93 530.38,1694.7 528.52,1698.17 526.02,1701.22 522.98,1703.72 519.5,1705.58 515.73,1706.72 511.81,1707.11 20.1,1707.11 20.1,2214.16
+3V3 on VCC (split plane): 3798.8,2214.15 3798.8,1707.1 3432.5,1707.1 3432.5,1742.13 3432.11,1746.05 3430.97,1749.82 3429.11,1753.29 3426.61,1756.34 3423.57,1758.84 3420.09,1760.69 3416.32,1761.84 3412.4,1762.22 2921.26,1762.22 2917.34,1761.84 2913.57,1760.69 2910.09,1758.84 2907.05,1756.34 2904.55,1753.29 2902.69,1749.82 2901.55,1746.05 2901.16,1742.13 2901.16,1707.1 1388.78,1707.1 1384.86,1706.72 1381.09,1705.57 1377.61,1703.72 1374.57,1701.22 1372.07,1698.17 1370.21,1694.7 1369.07,1690.93 1368.68,1687.01 1368.68,20.1 1363.6,20.1 1363.6,66.93 1363.21,70.85 1362.07,74.62 1360.21,78.09 1357.71,81.14 1354.67,83.64 1351.19,85.5 1347.42,86.64 1343.5,87.03 1207.68,87.03 1203.76,86.64 1199.99,85.5 1196.51,83.64 1193.47,81.14 1190.97,78.09 1189.11,74.62 1187.97,70.85 1187.58,66.93 1187.58,20.1 1113.19,20.1 391.16,20.1 391.16,507.87 390.77,511.79 389.63,515.56 387.77,519.04 385.27,522.08 382.23,524.58 378.75,526.44 374.98,527.58 371.06,527.97 20.1,527.97 20.1,1201.36 511.81,1201.36 515.73,1201.75 519.5,1202.89 522.98,1204.75 526.02,1207.25 528.52,1210.29 530.38,1213.77 531.52,1217.54 531.91,1221.46 531.91,1687.01 531.52,1690.93 530.38,1694.7 528.52,1698.17 526.02,1701.22 522.98,1703.72 519.5,1705.58 515.73,1706.72 511.81,1707.11 20.1,1707.11 20.1,2214.16

## Other copper
Top Layer:
  region net A: 2974.41,1967.52 3005.91,1967.52 3005.91,1875.98 2974.41,1875.98
  region net K: 2935.04,1967.52 2966.54,1967.52 2966.54,1916.34 2935.04,1916.34
  region net +3V3: 3013.78,1972.44 3045.28,1972.44 3045.28,1911.42 3013.78,1911.42
  region net GND: 3053.15,1972.44 3084.65,1972.44 3084.65,1911.42 3053.15,1911.42
  region net K: 2966.54,2067.91 2966.54,1967.52 2942.91,1967.52 2942.91,2067.91
  region net NetL4_2: 2891.73,2067.91 2891.73,1977.36 2735.59,1977.36 2735.59,2067.91

## Silkscreen, mask and mechanical layers (free items; w line width, h text height)
Top Overlay:
  lines w5: 691.93,751.97 691.93,779.53 ; 700.79,770.67 691.93,779.53 ; 2656.5,2232.28 2656.5,2178.15 2701.77,2178.15 2701.77,2112.2 2741.14,2112.2 ; 2760.83,2236.22 2760.83,2216.54 2760.83,2177.17 2741.14,2177.17 2741.14,2112.2 ; 2878.94,2234.25 2878.94,2181.1 2804.13,2181.1 2804.13,2074.8 2741.14,2074.8 2741.14,2112.2 ; 691.93,779.53 683.07,770.67 691.93,779.53 ; 447.83,618.11 621.06,618.11 621.06,837.6 472.44,837.6 447.83,837.6 447.83,618.11 ; 1002.95,103.35 1002.95,159.45 1201.77,159.45 1220.47,159.45 1220.47,100.39 1165.35,100.39 1164.37,16.73 1062.99,16.73 1062.99,103.35 1002.95,103.35 ; 1037.4,864.17 1092.52,919.29 1233.11,778.7 1233.11,621.06 1120.08,621.06 1120.08,783.69 1037.4,864.17
  text "G" at 1706.69,2115.16 h30 r270
  text "CLK" at 1806.1,2115.16 h30 r270
  text "DIO" at 1906.5,2115.16 h30 r270
  text "NRST" at 2006.89,2115.16 h30 r270
  text "SWO" at 2105.31,2115.16 h30 r270
  text "NSS" at 1249.4,620.08 h30
  text "SCK" at 1249.4,570.87 h30
  text "MOSI" at 1229.41,521.65 h30
  text "MISO" at 1224.41,469.49 h30
Mechanical 1:
  lines w0.98: 24.61,740.16 191.93,740.16 359.25,740.16 ; 237,1687.01 237,1941.93 ; 453.54,1687.01 453.54,1940.94

## Text inside footprints (layer, text, board x,y; h text height)
CN10: Top Overlay "1" at 2917.32,1975.39 h30; Top Overlay "24" at 3418.31,1963.58 h30